# Altium PCB IceZUM_Core_HX1K.PcbDoc (part 1 of 2) (continued)
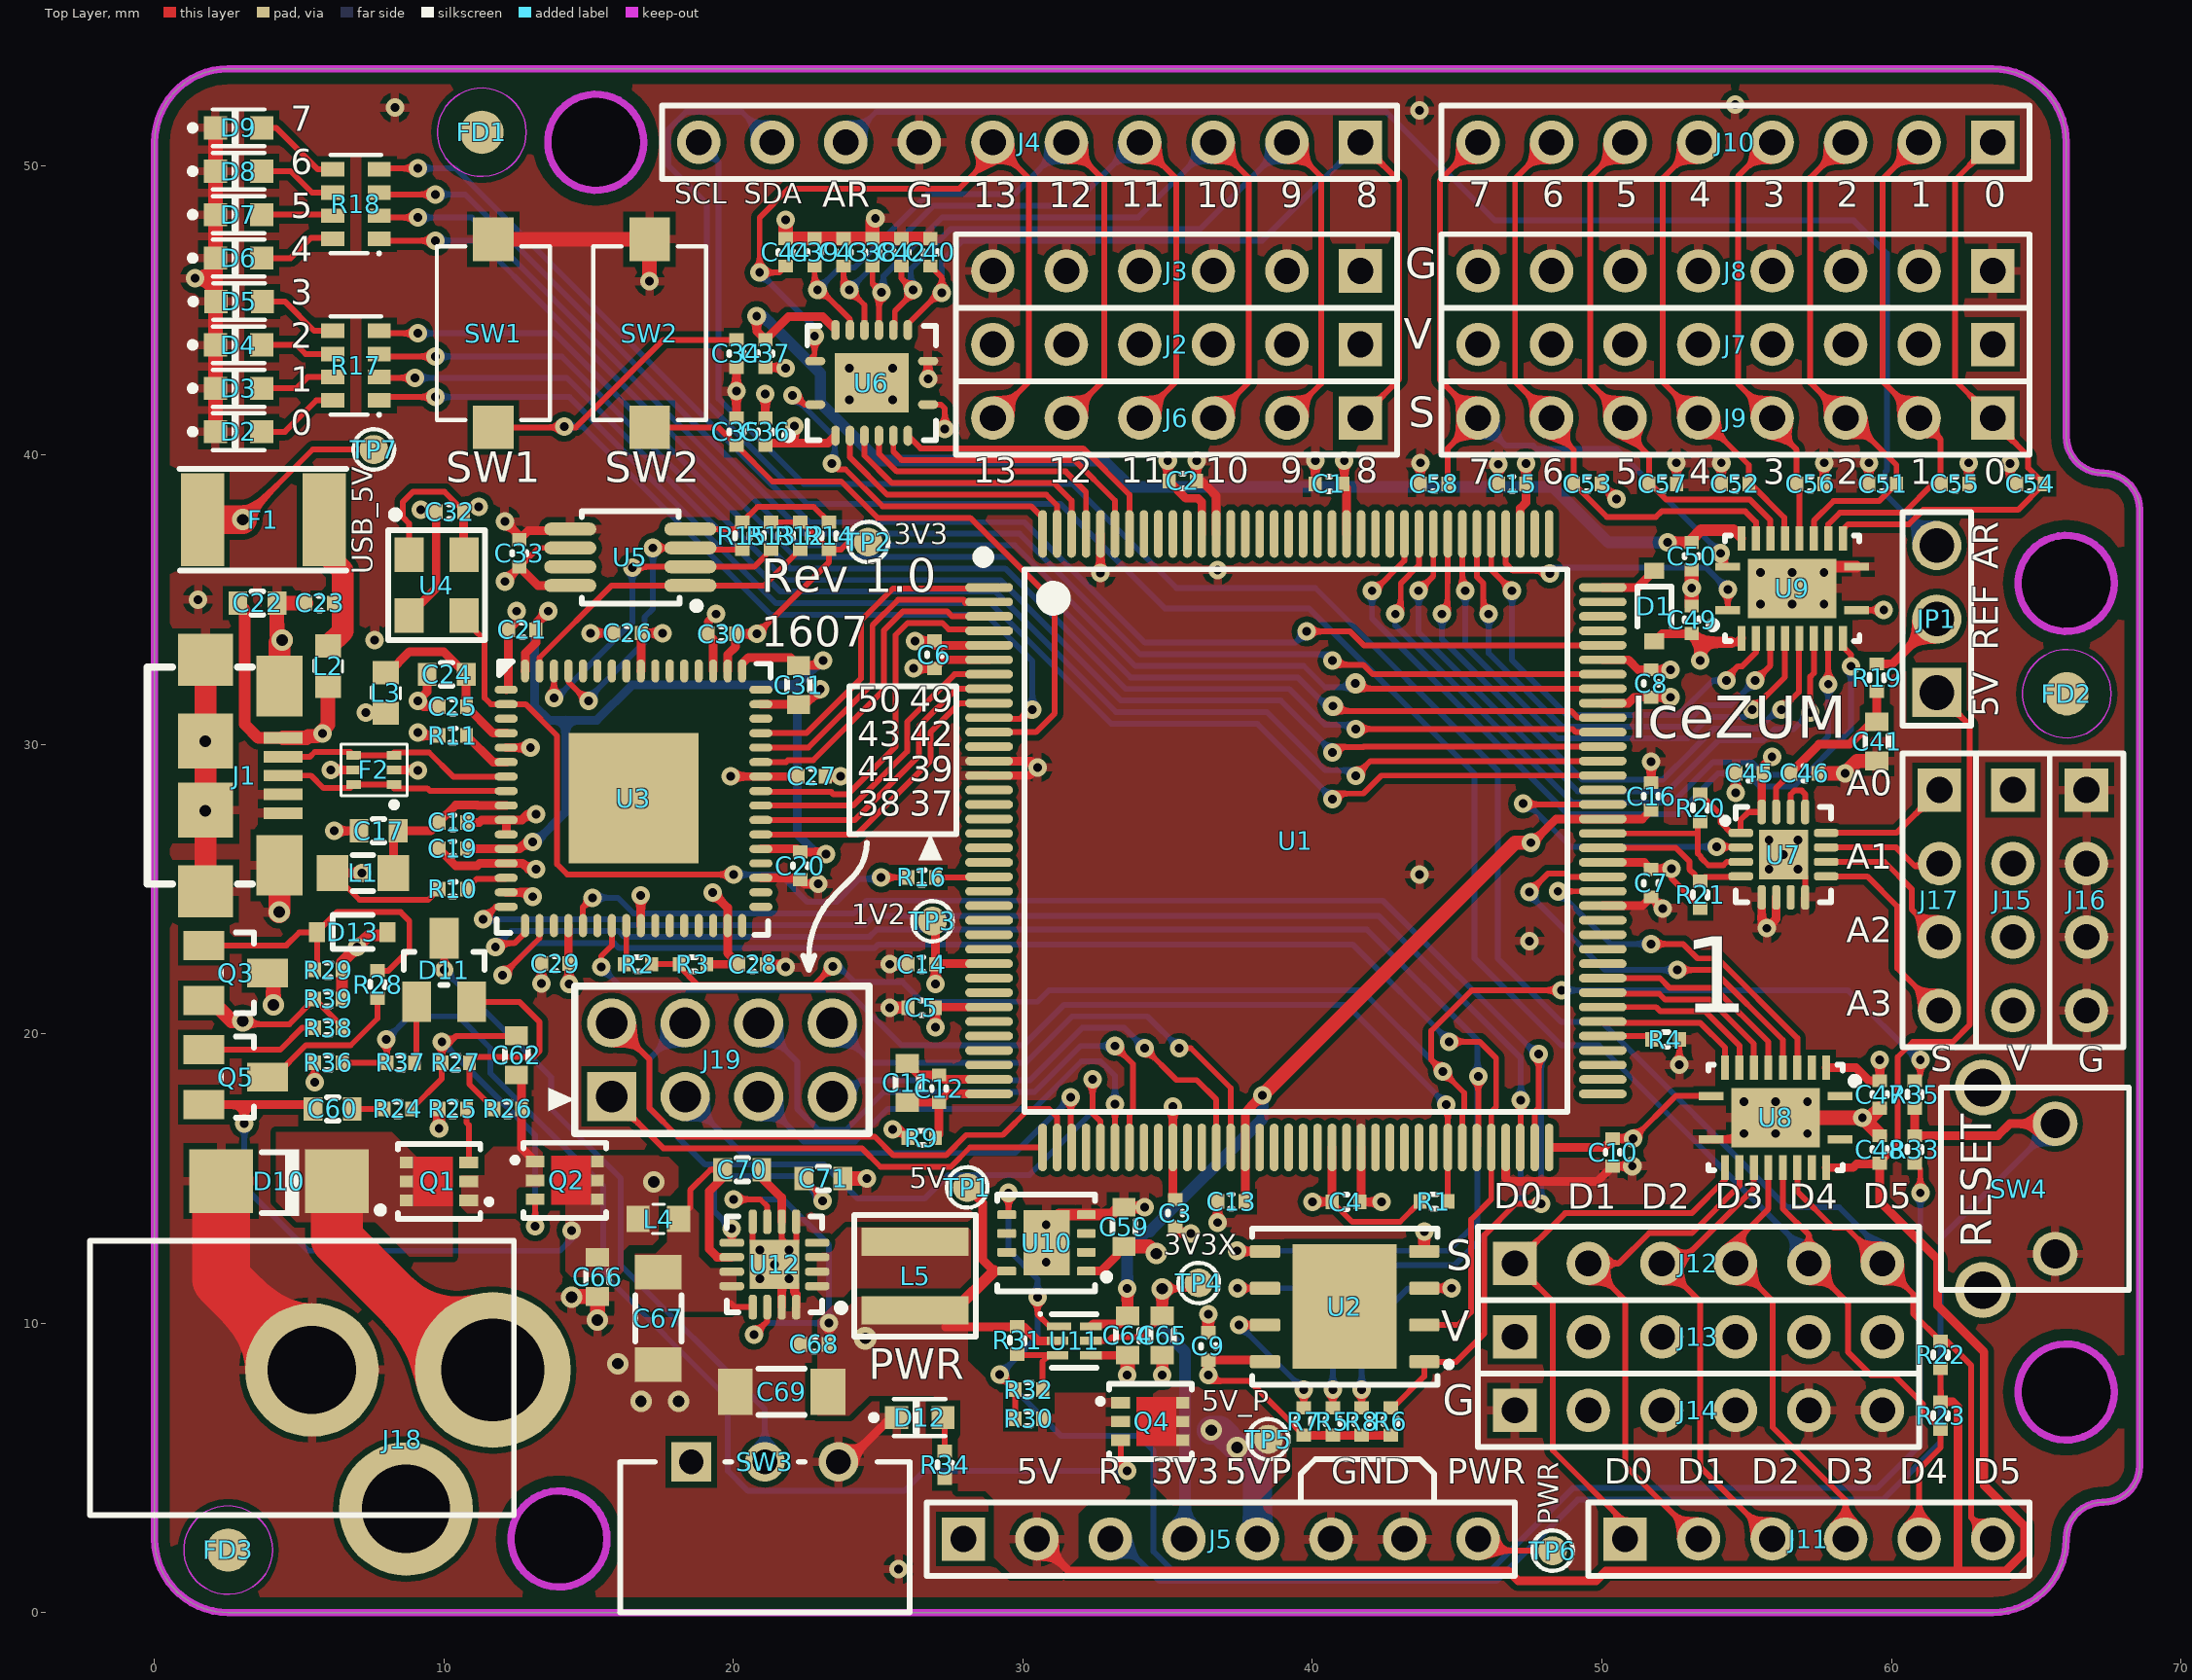
[diagram p0: Top Layer view]
## Footprints (in the part's own frame and the unit in brackets; to place one, negate y for a bottom-side part, rotate by r counter-clockwise, add the part's x,y. Pads: shape width x height; smd on the part's side, far side on the other; paste and mask are expansions set on the pad) (continued)
QFN16#3 [mm] "QFN 16-Lead, 3x3mm body, IPC Medium Density"
  rrect70% 0.85x0.28 smd mask+0.07: 1(-1.475,0.75) 2(-1.475,0.25) 3(-1.475,-0.25) 4(-1.475,-0.75) 9(1.475,-0.75) 10(1.475,-0.25) 11(1.475,0.25) 12(1.475,0.75)
  rrect70% 0.28x0.85 smd mask+0.07: 5(-0.75,-1.475) 6(-0.25,-1.475) 7(0.25,-1.475) 8(0.75,-1.475) 13(0.75,1.475) 14(0.25,1.475) 15(-0.25,1.475) 16(-0.75,1.475)
  rect 1.7x1.7 smd mask+0.05: 16(0,0)
  silkscreen extent -2.43,-1.65 1.65,1.65, body extent -1.5,-1.5 1.5,1.5, height 0.9
R0402 [mm] "Chip Resistor, Body 1.0x0.5mm, IPC High Density"
  rect 0.45x0.5 smd: 1(-0.475,0) 2(0.475,0)
  silkscreen extent -0.1,-0.25 0.1,0.25, body extent -0.5,-0.25 0.5,0.25, height 0.3
"Slide SW SPDT Right Angle" [mm] "3 pin SPDT Right Angle Switch pitch 2.54mm"
  rect 1.37x1.37 hole 0.85: 1(0,0)
  round 1.37 hole 0.85: 2(2.54,0) 3(5.08,0)
  silkscreen extent -2.46,-5.2 7.54,0, body extent -2.47,-7.19 7.53,0.32, height 2.5
SOD323 [mil]
  rect 22x27 smd: A(-48,0) K(48,0)
  silkscreen extent -28,-23 26,23, body extent -51,-27 51,27, height 44
SOT23-3 [mm] "SOT23, 3-Leads, Body 2.9x1.3mm, Pitch 0.95mm, Lead Span 2.5mm, IPC High Density"
  rect 1x1.4 smd: 1(0.95,1.1) 2(-0.95,1.1) 3(0,-1.1)
  silkscreen extent -1.4,-0.64 1.4,0.51, body extent -1.44,-1.45 1.46,1.35, height 1.07
SOT563 [mm] "SOT563, 6-Leads, Body 1,60x1,20mm, Pitch 0,50mm, IPC Medium Density"
  rect 0.5x0.3 smd paste+0 mask+0.05: 1(-0.7,0.5) 2(-0.7,0) 3(-0.7,-0.5) 4(0.7,-0.5) 5(0.7,0) 6(0.7,0.5)
  silkscreen extent -1.14,-0.89 1.14,1.3, body extent -0.8,-0.8 0.8,0.8, height 0.55
SW_SMD_6.0x3.8 [mm] "Micro miniature pushbutton switch 6.0x3.8mm"
  rect 1.5x1.4 smd: 1(3.25,0) 2(-3.25,0)
  silkscreen extent -3,-1.95 3,1.95, body extent -3.65,-1.95 3.65,1.95, height 2.5
SW_Vert_THT_7.5x6x6.5 [mm] "Vertical Switch THT"
  round 1.54 hole 1: 1(0,0) 2(4.5,0)
  round 1.93 hole 1.3: 3(-1.25,-2.5) 4(5.75,-2.5)
  silkscreen extent -1.25,-3.95 5.75,2.55, body extent -1.84,-3.95 6.34,3.85, height 7.1
TP_SMD_1mm [mm] "Testpoint 1mm"
  round 1 smd paste-1 mask+0.1: 1(0,0)
  silkscreen extent -0.7,-0.7 0.7,0.7
TQFP-144_IPC-MD [mm] "QFP, 144-Leads, Body 20x20mm, Pitch 0.5mm, IPC Medium Density"
  oval 1.65x0.3 smd: 1(-10.6,8.75) 2(-10.6,8.25) 3(-10.6,7.75) 4(-10.6,7.25) 5(-10.6,6.75) 6(-10.6,6.25) 7(-10.6,5.75) 8(-10.6,5.25) 9(-10.6,4.75) 10(-10.6,4.25) 11(-10.6,3.75) 12(-10.6,3.25) 13(-10.6,2.75) 14(-10.6,2.25) 15(-10.6,1.75) 16(-10.6,1.25) 17(-10.6,0.75) 18(-10.6,0.25) 19(-10.6,-0.25) 20(-10.6,-0.75) 21(-10.6,-1.25) 22(-10.6,-1.75) 23(-10.6,-2.25) 24(-10.6,-2.75) 25(-10.6,-3.25) 26(-10.6,-3.75) 27(-10.6,-4.25) 28(-10.6,-4.75) 29(-10.6,-5.25) 30(-10.6,-5.75) 31(-10.6,-6.25) 32(-10.6,-6.75) 33(-10.6,-7.25) 34(-10.6,-7.75) 35(-10.6,-8.25) 36(-10.6,-8.75) 73(10.6,-8.75) 74(10.6,-8.25) 75(10.6,-7.75) 76(10.6,-7.25) 77(10.6,-6.75) 78(10.6,-6.25) 79(10.6,-5.75) 80(10.6,-5.25) 81(10.6,-4.75) 82(10.6,-4.25) 83(10.6,-3.75) 84(10.6,-3.25) 85(10.6,-2.75) 86(10.6,-2.25) 87(10.6,-1.75) 88(10.6,-1.25) 89(10.6,-0.75) 90(10.6,-0.25) 91(10.6,0.25) 92(10.6,0.75) 93(10.6,1.25) 94(10.6,1.75) 95(10.6,2.25) 96(10.6,2.75) 97(10.6,3.25) 98(10.6,3.75) 99(10.6,4.25) 100(10.6,4.75) 101(10.6,5.25) 102(10.6,5.75) 103(10.6,6.25) 104(10.6,6.75) 105(10.6,7.25) 106(10.6,7.75) 107(10.6,8.25) 108(10.6,8.75)
  oval 0.3x1.65 smd: 37(-8.75,-10.6) 38(-8.25,-10.6) 39(-7.75,-10.6) 40(-7.25,-10.6) 41(-6.75,-10.6) 42(-6.25,-10.6) 43(-5.75,-10.6) 44(-5.25,-10.6) 45(-4.75,-10.6) 46(-4.25,-10.6) 47(-3.75,-10.6) 48(-3.25,-10.6) 49(-2.75,-10.6) 50(-2.25,-10.6) 51(-1.75,-10.6) 52(-1.25,-10.6) 53(-0.75,-10.6) 54(-0.25,-10.6) 55(0.25,-10.6) 56(0.75,-10.6) 57(1.25,-10.6) 58(1.75,-10.6) 59(2.25,-10.6) 60(2.75,-10.6) 61(3.25,-10.6) 62(3.75,-10.6) 63(4.25,-10.6) 64(4.75,-10.6) 65(5.25,-10.6) 66(5.75,-10.6) 67(6.25,-10.6) 68(6.75,-10.6) 69(7.25,-10.6) 70(7.75,-10.6) 71(8.25,-10.6) 72(8.75,-10.6) 109(8.75,10.6) 110(8.25,10.6) 111(7.75,10.6) 112(7.25,10.6) 113(6.75,10.6) 114(6.25,10.6) 115(5.75,10.6) 116(5.25,10.6) 117(4.75,10.6) 118(4.25,10.6) 119(3.75,10.6) 120(3.25,10.6) 121(2.75,10.6) 122(2.25,10.6) 123(1.75,10.6) 124(1.25,10.6) 125(0.75,10.6) 126(0.25,10.6) 127(-0.25,10.6) 128(-0.75,10.6) 129(-1.25,10.6) 130(-1.75,10.6) 131(-2.25,10.6) 132(-2.75,10.6) 133(-3.25,10.6) 134(-3.75,10.6) 135(-4.25,10.6) 136(-4.75,10.6) 137(-5.25,10.6) 138(-5.75,10.6) 139(-6.25,10.6) 140(-6.75,10.6) 141(-7.25,10.6) 142(-7.75,10.6) 143(-8.25,10.6) 144(-8.75,10.6)
  silkscreen extent -10.92,-9.38 9.38,9.92, body extent -11.01,-11.01 11.01,11.01, height 1.1
U-DFN2523-6 [mm] "U-DFN, 2.5x2.3mm, 6 pin, 0.65mm Pitch"
  rect 0.4x0.65 smd: 1(-0.65,-1.025) 2(0,-1.025) 3(0.65,-1.025)
  rect 0.4x0.45 smd: 4(0.65,1.125) 5(0,1.125) 6(-0.65,1.125)
  Top Layer region: -0.85,-0.48 0.85,-0.48 0.85,0.9 -0.85,0.9
  silkscreen extent -1.3,-1.76 1.3,1.43, body extent -1.15,-1.25 1.15,1.25, height 0.6
U-DFN3030-8 [mm] "U-DFN, 3x3mm, 8 pin, 0.65mm Pitch, with TP"
  rect 2.25x1.6 smd paste-0.3: 0(0,0)
  rrect30% 0.3x0.65 smd: 1(-0.975,-1.375) 2(-0.325,-1.375) 3(0.325,-1.375) 4(0.975,-1.375) 5(0.975,1.375) 6(0.325,1.375) 7(-0.325,1.375) 8(-0.975,1.375)
  silkscreen extent -1.68,-2.15 1.68,1.7, body extent -1.5,-1.51 1.5,1.51, height 0.8
USB_Micro_B [mm] "USB Micro Type B SMD"
  rect 0.4x1.35 smd: 1(-1.3,1.338) 2(-0.65,1.338) 3(0,1.338) 4(0.65,1.338) 5(1.3,1.338)
  rect 1.8x1.9 smd: S1(-4,-1.337) S4(4,-1.337)
  rect 1.9x1.9 smd: S2(-1.2,-1.337) S3(1.2,-1.337)
  rect 2.1x1.6 smd: S5(-3.1,1.213) S6(3.1,1.213)
  silkscreen extent -3.75,-3.35 3.75,0.26, body extent -4.1,-3.93 4.1,2, height 2.72
"VQFN20 4.5x3.5mm" [mm] "Quad Flatpack No-Lead 4.5x3.5mm, 20 pin, TP"
  rect 3.05x2.05 smd paste-0.3: 0(0,0)
  rect 0.85x0.28 smd mask+0.07: 1(-2.225,-0.75) 10(2.225,-0.75) 11(2.225,0.75) 20(-2.225,0.75)
  rect 0.28x0.85 smd mask+0.07: 2(-1.75,-1.725) 3(-1.25,-1.725) 4(-0.75,-1.725) 5(-0.25,-1.725) 6(0.25,-1.725) 7(0.75,-1.725) 8(1.25,-1.725) 9(1.75,-1.725) 12(1.75,1.725) 13(1.25,1.725) 14(0.75,1.725) 15(0.25,1.725) 16(-0.25,1.725) 17(-0.75,1.725) 18(-1.25,1.725) 19(-1.75,1.725)
  silkscreen extent -2.87,-1.83 2.33,1.83, body extent -2.26,-1.76 2.26,1.76, height 0.9
WSON-6-1,5x1,5mm [mm] "SON, 6-Leads, Body 1,50x1,50mm, Pitch 0,50mm, IPC Medium Density"
  rect 0.85x0.28 smd mask+0.05: 1(-0.525,0.5)
  rect 0.75x0.28 smd mask+0.05: 2(-0.575,0) 3(-0.575,-0.5) 4(0.575,-0.5) 5(0.575,0) 6(0.575,0.5)
  silkscreen extent -1.22,-0.93 0.77,0.97, body extent -0.77,-0.78 0.77,0.77, height 0.8

## Part data
C1 C2 C3 C4 C5 C6 C7 C8 C9 C10 C12 C13 C14 C15 C16 C18 C19 C20 C21 C23 C25 C26 C27 C28 C29 C30 C32 C33 C34 C35 C36 C37 C45 C46 C47 C48 C49 C50 C68: library part C0402_100nF_16V_±10%, "Capacitor SMD"
C11: library part C0603_10uF_16V_±20%, "Capacitor SMD"
C17 C24 C31 C41 C59 C64 C65: library part C0603_4.7uF_16V_±10%, "Capacitor SMD"
C22: library part C0603_10nF_25V_±10%
C38 C39 C40 C42 C43 C44 C51 C52 C53 C54 C55 C56 C57 C58: library part C0402_100pF_16V_±10%, "Capacitor SMD"
C60 C62: library part C0603_100nF_25V_±10%, "Capacitor SMD"
C66 C70: library part C0603_100nF_25V_±10%
C67: library part C1206_10uF_25V_±10%, "Capacitor SMD"
C69: library part C1206_22uF_10V_±20%
C71: library part C0603_620pF_25V_±5%
D1: "Schottky Diode"
D2 D3 D4 D5 D6 D7 D8 D9: library part "LY Q971-H1L2-36", "LED"
D10: library part "TVS 17V Bi SMA", "Protection, Bidirectional Transient Suppression Diodes"
D11: library part BAT54C, "Dual Schottky Diode Common Cathode"
D12: library part "LW Q38G-Q2R3", "LED"
D13: library part BZX384C5V1, "Zener Diode"
F1: library part "FUSE 0.5A 15V", "PTC Resettable Fuse"
F2: library part "USB ESD Single", "Protection, USB ESD"
J1: library part "Micro USB Type B SMD", "Connector, USB Micro B"
J2 J13: library part "CON_PH_THT2.54_6 Red"
J3 J14: library part CON_PH_THT2.54_6
J4: library part CON_SH_THT2.54_10, "Connector, 10 pin Socket Header 2.54mm"
J5 J10: library part CON_SH_THT2.54_8, "8 pin Socket Header 2.54mm"
J6: library part "CON_PH_THT2.54_6 Natural"
J7: library part "CON_PH_THT2.54_8 Red"
J8: library part CON_PH_THT2.54_8
J9: library part "CON_PH_THT2.54_8 Natural"
J11: library part CON_SH_THT2.54_6, "6 pin Socket Header 2.54mm"
J12: library part "CON_PH_THT2.54_6 Natural", "Connector, 1x6 pin Header 2.54mm"
J15: library part "CON_PH_THT2.54_4 Red", "Connector, 1x4 pin Header 2.54mm"
J16 J17: library part CON_PH_THT2.54_4, "Connector, 1x4 pin Header 2.54mm"
J18: library part "DC Power Jack", "Connector, Power, DC Power Jack"
J19: library part CON_DPH_THT2.54_8, "Connector, 8 pin Dual Header 2.54mm"
JP1: library part Jumper_3pin_THT, "Connector, Jumper, 3 pin Male Header 2.54mm"
L1: library part 10uH_0,1A, "Inductor SMD"
L2: library part L0603_120R_0,025R_3000mA
L3: library part L0603_220R_0,05R_2200mA, "Ferrite Bead"
L4: library part L0603_120R_0,025R_3000mA, "Ferrite Bead"
L5: library part 2,2uH_4,7A, "Inductor SMD"
Q1 Q2 Q4: "P-Channel MOSFET, 6 pin"
Q3: library part DMP2035U, "PFET"
Q5: "PNP"
R1 R3 R4 R5 R6 R7 R8 R12 R13 R14 R20 R21 R28 R37 R38: library part R0402_10k_0.063W_±5%, "Resistor, SMD"
R2: library part R0402_470R_0.063W_±5%, "Resistor, SMD"
R9: library part R0402_100R_0.063W_±5%, "Resistor, SMD"
R10: library part R0402_1k_0.063W_±5%
R11: library part R0402_12k_0.063W_±1%, "Resistor, SMD"
R15: library part R0402_2k2_0.063W_±5%, "Resistor, SMD"
R16 R32 R33 R35: library part R0402_0R_0.063W_±5%, "Resistor, SMD"
R17 R18: library part 4xArray_1206_270R_0,0625W_±0,5%, "Resistor"
R19: library part R0402_10R_0.063W_±5%, "Resistor, SMD"
R22 R23: library part R0402_4k7_0.063W_±5%, "Resistor, SMD"
R24 R27: library part R0402_47k_0.063W_±5%, "Resistor, SMD"
R25 R39: library part R0402_1k_0.063W_±5%, "Resistor, SMD"
R26 R29 R30 R31: library part R0402_100k_0.063W_±5%, "Resistor, SMD"
R34: library part R0402_5k6_0.063W_±5%, "Resistor, SMD"
R36: library part R0402_220k_0.063W_±5%, "Resistor, SMD"
SW1 SW2: library part "SW SMD", "Micro miniature pushbutton surface Switch"
SW3: library part "Switch SPDT"
SW4: library part "SW Vertical THT", "Micro miniature pushbutton surface Switch"
TP1 TP2 TP3 TP4 TP5 TP6 TP7: library part TP_SMD_1mm
U1: library part iCE40-HX1K, "iCE40 HX1K Series FPGA Family, 1280 Logic Cells, 1.2 V Core, 64 K Embedded RAM Bits, 144-pin TQFP, Pb-Free, Tray"
U2: "NOR Flash Memory, serial"
U3: "Dual High Speed USB to Multipurpose UART/FIFO IC"
U4: library part DSC1001-12MHZ, "Oscillator, Low-Power CMOS, 4 pin, 1.8-3.3V"
U5: "EEPROM, 2K Microwire Compatible Serial, 8 or 16 bit word size, 2.5-5.5 Vcc range"
U6: "Voltage Translator, Hex"
U7: "ADC Converter, 12-Bit, 4-Ch, I2C"
U8 U9: "Voltage Level Translator, 8-Bit Bidir., with TP"
U10: "LDO Regulator, 8 pin, adjustable and fixed mode with enable"
U11: "LDO Regulator, Dual, 6 pin"
U12: library part TPS62133, "3A High Efficient Synchronous Step Down Converter with DCS™ Control"

## Free pads (board coordinates)
  round 1.524 hole 3.2 unplated: 0(13.97,2.54) 0(15.24,50.8) 0(66.04,7.62) 0(66.04,35.56)

## Via types
v1: diameter 0.64/0.74/0.74/0.64 (per signal layer), hole 0.3, Top Layer to Bottom Layer, tented both sides, 213 vias
v2: diameter 0.74/0.84/0.84/0.74 (per signal layer), hole 0.4, Top Layer to Bottom Layer, tented both sides, 17 vias
v3: diameter 0.64/0.74/0.74/0.64 (per signal layer), hole 0.3, Top Layer to Bottom Layer, 16 vias
v4: diameter 0.74, hole 0.3, Top Layer to Bottom Layer, 6 vias
v5: diameter 0.64/0.74/0.74/0.64 (per signal layer), hole 0.3, Top Layer to Bottom Layer, tented top, 4 vias
v6: diameter 0.7, hole 0.3, Top Layer to Bottom Layer, tented both sides, 2 vias
v7: diameter 0.8, hole 0.4, Top Layer to Bottom Layer, tented both sides, 1 vias

## Nets (pads, with @x,y where several pads share a name; then routed paths per layer and width w, separated by ;. In a path a pad name is that pad's centre, name@x,y a point inside that pad or via, vN(x,y) a via of type N, cw(c..) or ccw(c..) an arc to the next point about the centre after c; other vN are vias at no path point)
5V_P_CTL: D11.1 R37.2 | length 2.1
  Top Layer w0.2: R37.2@8.975,19 9.05,19.075 D11.1@9.05,21.1
+1V2: C13.2 C14.2 C15.2 C16.2 C64.2 R9.2 TP3.1 U1.27 U1.51 U1.92 U1.111 U11.6 | length 70.4
  Top Layer w0.3: v1(25.5,16.7) 25.725,16.7 R9.2@26.025,16.4 ; TP3.1@26.872,23.888 26.975,23.785 C14.2@26.975,22.4 ; v1(26.975,21.725) C14.2@26.975,22.4 ; U1.27@28.827,22.42 26.995,22.42 C14.2@26.975,22.4 ; U11.6@32.347,9.888 32.431,9.972 33.337,9.972 C64.2@33.612,10.247 ; C13.2@37.675,14.2 C13.2@37.675,14.2 U1.51@37.677,16.07 37.677,17.277 v1(38.275,17.875) ; U1.111@47.177,37.27 47.177,38.152 47.375,38.35 C15.2@47.375,39 v1(47.375,39.7) ; v1(47.55,26.6) 47.575,26.575 48.42,27.42 U1.92@50.027,27.42 51.395,27.42 C16.2@51.7,27.725
  Top Layer w0.4: v1(33.6,11.2) 33.612,11.188 C64.2@33.612,10.247
  Top Layer w0.5: v1(38.275,17.875) 47,26.6 v1(47.55,26.6)
  Power w0.4: v1(26.975,21.725) 26.975,21.386 25.5,19.911 v1(25.5,16.7) 26.7,15.5 29.789,15.5 33.6,11.689 v1(33.6,11.2)
  Power w0.5: v1(47.375,39.7) 49.02,38.055 49.02,28.07 v1(47.55,26.6)
  Bottom Layer w0.4: v1(33.6,11.2) 33.6,12.489 34.281,13.17 34.382,13.17 38.275,17.063 v1(38.275,17.875)
+1V8_FT: C19.2 C20.2 C21.2 C31.2 U3.12 U3.37 U3.49 U3.64 | length 36.3
  Top Layer w0.3: C19.2@10.775,26.4 10.775,26.385 U3.12@12.146,26.385 12.6,26.385 12.84,26.625 v1(13.066,26.625) ; U3.64@12.796,32.535 12.806,32.545 12.806,33.142 13.176,33.512 C21.2@13.176,33.958 13.176,34.176 v1(13.6,34.6) ; U3.49@20.296,32.535 20.296,32.781 20.515,33 21.965,33 C31.2@22.244,32.721 22.921,32.721 v1(23.1,32.9) ; U3.37@20.946,26.385 22.19,26.385 C20.2@22.3,26.275 23.125,26.275 v1(23.2,26.2)
  Power w0.3: v1(23.1,32.9) v1@23.3,32.9
  Bottom Layer w0.3: v1(13.066,26.625) 13.173,26.625 14.2,27.652 14.2,30.83 ; v1(13.6,34.6) 13.126,34.126 13.126,31.326 13.622,30.83 14.2,30.83 ; v1(23.1,32.9) 23.052,32.9 22.2,32.048 ; v1(23.2,26.2) 22.9,26.2 22.2,26.9 22.2,32.048 ; 14.2,30.83 15.278,30.83 16.495,32.048 22.2,32.048
+3V3: C1.2 C2.2 C3.2 C4.2 C5.2 C6.2 C7.2 C8.2 C9.1 C10.2 C26.2 C27.2 C28.2 C29.2 C30.2 C32.2 C33.2 C36.1 C45.2 C47.2 C49.2 C59.2 D1.A L1.1 L3.1 R1.1 R3.1 R5.2 R6.2 R7.2 R8.2 R10.2 R12.2 R13.2 R14.2 R20.2 R21.2 TP2.1 U1.6 U1.30 U1.46 U1.57 U1.72 U1.89 U1.100 U1.123 U1.133 U2.8 U3.20 U3.31 U3.42 U3.50 U3.56 U4.1 U4.4 U5.6 U5.8 U6.2 U6.8 U7.1 U7.16 U8.2 U8.10 U9.2 U9.10 U10.1 | length 100.7
  Top Layer w0.2: L1.1@6.147,25.555 7.077,24.625 9.45,24.625 R10.2@9.825,25 ; U4.1@8.788,36.548 8.788,37.635 8.58,37.843 8.58,38.38 8.92,38.72 10.02,38.72 10.675,38.065 C32.2@10.675,38.034 ; C33.2@12.6,36.125 13.26,36.785 U5.6@14.357,36.785 ; v1(20.814,33.814) 23.3,36.3 R14.2@23.3,36.725 ; R13.2@21.3,37.675 R12.2@22.3,37.675 22.35,37.675 R14.2@23.3,36.725 ; TP2.1@24.625,37.261 24.314,36.95 23.934,36.95 23.709,36.725 R14.2@23.3,36.725 ; U6.8@26.722,41.738 27.162,41.738 27.3,41.6 v1(27.3,40.9) ; v1@36.6,8 37.825,8 R7.2@39.7,6.125 ; C4.2@40.684,14.187 41.371,13.5 43.025,13.5 R1.1@43.725,14.2 ; v1(51.075,16.375) 52.55,17.85 U8.10@53.775,17.85 ; v1(52.4,25.7) 52.4,25.376 53.4,24.376 R21.2@53.4,24.325 ; R20.2@53.4,28.275 54.1,27.575 54.1,27.3 54.462,26.938 U7.1@54.797,26.938 54.797,27.397 55.063,27.663 U7.16@55.522,27.663 ; U9.10@58.797,34.638 v1(59.738,34.638)
  Top Layer w0.3: L1.1@6.147,25.555 v1(7.155,25.555) ; v1(7.3,31.1) 7.954,31.1 L3.1@7.982,31.072 ; U4.4@10.688,36.548 10.675,36.561 C32.2@10.675,38.034 10.841,38.2 v1(11.2,38.2) ; v1(12.1,35.625) C33.2@12.6,36.125 13.24,35.485 U5.8@14.357,35.485 ; U3.20@14.296,23.735 14.296,22.444 C29.2@14.316,22.424 v1(14.316,21.716) ; U3.56@16.796,32.535 16.806,32.545 16.806,33.832 C26.2@16.816,33.842 v1(17.542,33.842) ; R3.1@19.075,22.4 C28.2@20.184,22.4 19.796,22.788 U3.31@19.796,23.735 19.796,24.354 v1(19.275,24.875) ; U3.50@19.796,32.535 19.796,33.096 20.075,33.375 C30.2@20.075,33.814 v1(20.814,33.814) ; v1(19.9,28.9) 19.915,28.885 U3.42@20.946,28.885 22.21,28.885 C27.2@22.225,28.9 ; C36.1@21.1,40.325 21.175,40.4 23.259,40.4 U6.2@23.522,40.663 ; 22.05,40.45 22.1,40.5 v1(22.1,41) ; v1(26.219,32.619) C6.2@26.938,32.619 27.239,32.92 U1.6@28.827,32.92 ; v1(26.975,20.225) C5.2@26.975,20.9 ; C5.2@26.975,21 27.055,20.92 U1.30@28.827,20.92 ; U10.1@32.187,11.797 32.697,11.797 C59.2@33.253,12.353 ; v1(35,39.8) 35,39.145 C2.2@35.045,39.1 35.045,39.08 35.625,38.5 36.046,38.5 36.177,38.369 U1.133@36.177,37.27 ; C3.2@35.158,14.377 C3.2@35.262,14.273 ; C3.2@35.177,14.342 U1.46@35.177,16.07 v1(35.177,17.477) ; v1(36.4,8.2) C9.1@36.4,8.725 38.304,8.725 U2.8@38.362,8.667 ; R7.2@39.7,6.125 R5.2@40.7,6.125 R8.2@41.7,6.125 R6.2@42.7,6.125 ; v1(40.006,14.194) 40.677,14.194 U1.57@40.677,16.07 ; v1(41.1,39.8) 41.1,39.055 C1.2@41.045,39 41.177,38.868 U1.123@41.177,37.27 ; U1.72@48.177,16.07 50.07,16.07 C10.2@50.375,16.375 v1(51.075,16.375) ; U1.89@50.027,25.92 51.455,25.92 C7.2@51.7,25.675 51.725,25.7 v1(52.4,25.7) ; U1.100@50.027,31.42 50.909,31.42 51.114,31.625 C8.2@51.7,31.625 v1(52.375,31.625) ; D1.A@51.812,33.553 52.085,33.825 C49.2@53.1,33.825 ; 54.475,33.525 54.684,33.525 U9.2@54.822,33.663 ; U7.16@55.522,27.663 55.522,28.722 55.575,28.775 C45.2@55.575,29 55.575,29.26 v1(55.875,29.56) ; U8.2@57.75,18.825 58.775,18.825 59.225,18.375 C47.2@59.6,18.375 v1(59.6,19.1)
  Top Layer w0.4: C49.2@53.1,33.825 53.4,33.525 ; v1(53.4,32.9) 53.4,33.525 ; 54.475,33.525 53.4,33.525
  Top Layer w0.5: C59.2@33.488,12.653 34.347,12.653 v2(34.6,12.4)
+3V3_AUX: C65.2 J5.4 TP4.1 U11.5 | length 14.1
  Top Layer w0.2: U11.5@32.347,9.388 32.954,9.388 33.088,9.522 34.087,9.522 C65.2@34.812,10.247 ; v2(34.812,11.188) 35.872,11.188 TP4.1@36.072,11.388
  Top Layer w0.4: C65.2@34.812,10.247 v2(34.812,11.188)
  Bottom Layer w0.4: v2(34.812,11.188) 34.812,9.788 35.6,9 35.6,2.58 J5.4@35.56,2.54
+5V: C37.2 C48.1 C50.1 C68.2 C69.2 J5.2 JP1.1 L5.2 Q3.3 Q4.1 Q4.2 R22.2 R23.2 R30.1 R31.1 R34.2 R36.1 TP1.1 U6.15 U8.19 U9.19 U10.8 U11.2 U12.7 U12.14 | length 211.4
  Top Layer w0.2: v1(5.525,18.325) R36.1@5.525,19 ; v1(20,14.275) 20.925,14.275 21.164,14.036 U12.7@21.164,13.503 ; v1(20.7,9.6) 21.164,10.064 U12.14@21.164,10.553 ; C68.2@23.263,9.27 23.3,9.307 v1(23.3,10) ; C48.1@59.6,15.525 60.22,16.145 60.22,19.197 60.743,19.72 62.12,19.72 62.71,20.31 62.71,30.648 JP1.1@61.57,31.788 ; R23.2@61.7,7.275 61.7,8.375 61.675,8.4 R22.2@61.7,8.425
  Top Layer w0.3: v1(20.8,44.8) 20.8,44.275 C37.2@21.1,43.975 21.895,44.77 23.078,44.77 23.522,44.326 U6.15@23.522,44.313 ; 27.325,9.875 R31.1@29.8,9.875 30.025,9.875 30.512,9.388 U11.2@31.197,9.388 ; TP1.1@28.072,14.688 28.6,14.16 28.6,12.2 29,11.8 ; J5.2@30.48,2.54 31.58,1.44 46.76,1.44 47.1,1.1 49.8,1.1 50.14,1.44 63.956,1.44 64.6,2.084 64.6,2.996 63.2,4.396 63.2,9 61.6,10.6 61.6,12.2 59.6,14.2 C48.1@59.6,15.525 59.575,15.5 58.8,15.5 58.675,15.375 U8.19@57.75,15.375 ; 54.535,37.4 U9.19@54.822,37.113 ; R23.2@61.7,7.275 62.125,7.275 62.3,7.1 62.3,1.524
  Top Layer w0.4: L5.2@26.272,10.443 27.643,10.443 29,11.8 ; v1(52.275,36.975) C50.1@53.1,36.975 ; C50.1@53.1,37.075 53.425,37.4 54.535,37.4
  Top Layer w0.5: Q3.3@3.9,22.1 4.1,21.9 v2(4.1,21)
  Power w0.2: 4.35,17.25 4.45,17.25 v1(5.525,18.325)
  Power w0.4: v2(4.1,21) v2@4.125,20.975
  Power w0.5: v2(4.1,21) 5.17,22.07 5.17,29.844 4.98,30.034 4.98,32.95 5.4,33.37 5.4,36.2 14,44.8 v1(20.8,44.8) ; v2@4.125,20.975 4.125,17.475 4.35,17.25 5.7,15.9 17.834,15.9 18.534,15.2 20.94,15.2 24.55,11.59 v7(24.55,9.475)
  Bottom Layer w0.2: v1(20,14.275) 21.725,14.275 23.3,12.7 v1(23.3,10) 21.1,10 v1(20.7,9.6)
  Bottom Layer w0.4: v1(20.8,44.8) 21.018,44.8 23,42.818 23,41.8 25,39.8 32.8,39.8 33.7,38.9 48.3,38.9 50.225,36.975 v1(52.275,36.975)
+5V_P: J2.1 J2.2 J2.3 J2.4 J2.5 J2.6 J5.5 J7.1 J7.2 J7.3 J7.4 J7.5 J7.6 J7.7 J7.8 J13.1 J13.2 J13.3 J13.4 J13.5 J13.6 J15.1 J15.2 J15.3 J15.4 Q4.4 Q4.5 Q4.6 TP5.1 | length 4.6
  Bottom Layer w1: v2(36.5,6.3) 36.8,6.3 v2(37.4,5.7) 38.1,5 J5.5@38.1,2.54
A0: J17.1 U7.12 | length 4.5
  Top Layer w0.2: U7.12@57.747,26.938 60.178,26.938 J17.1@61.66,28.42
A1: J17.2 U7.11 | length 4.2
  Top Layer w0.2: U7.11@57.747,26.438 60.162,26.438 60.8,25.8 61.58,25.8 J17.2@61.66,25.88
A2: J17.3 U7.10 | length 5.4
  Top Layer w0.2: U7.10@57.747,25.938 59.762,25.938 60.7,25 60.7,24.3 J17.3@61.66,23.34
A3: J17.4 U7.9 | length 7.1
  Top Layer w0.2: U7.9@57.747,25.438 59.162,25.438 60.2,24.4 60.2,22.26 J17.4@61.66,20.8
AREF: J4.8 JP1.3 | length 49.3
  Bottom Layer w0.2: J4.8@23.876,50.8 24.926,51.85 42.55,51.85 46.3,48.1 58.7,48.1 59.845,46.955 59.845,39.468 59.8,39.423 59.8,38.638 JP1.3@61.57,36.868
D0: C54.2 J9.1 J10.1 U9.12 | length 21.5
  Top Layer w0.2: U9.12@58.322,37.113 58.322,37.422 58.5,37.6 60.6,37.6 61.1,38.1 64.375,38.1 C54.2@65.275,39 64.72,39.555 64.72,39.957 63.5,41.177 J9.1@63.5,41.275 62.2,42.575 62.2,49.5 J10.1@63.5,50.8
D1: C55.2 J9.2 J10.2 U9.13 | length 18.1
  Top Layer w0.2: U9.13@57.822,37.113 57.822,37.602 58.22,38 60.434,38 61.434,39 C55.2@61.725,39 61.7,39.025 61.7,40.535 J9.2@60.96,41.275 59.7,42.535 59.7,49.54 J10.2@60.96,50.8
D2: C51.2 J9.3 J10.3 U9.14 | length 17.6
  Top Layer w0.2: U9.14@57.322,37.113 57.322,37.722 58,38.4 59.575,38.4 C51.2@60.175,39 60.175,39.652 58.552,41.275 J9.3@58.42,41.275 57.2,42.495 57.2,49.58 J10.3@58.42,50.8
D3: C56.2 J9.4 J10.4 U9.15 | length 15.1
  Top Layer w0.2: J10.4@55.88,50.8 54.7,49.62 54.7,42.455 J9.4@55.88,41.275 55.88,41.02 56.725,40.175 C56.2@56.725,39 56.822,38.903 U9.15@56.822,37.113
D4: C52.2 J9.5 J10.5 U9.16 | length 16
  Top Layer w0.2: J10.5@53.34,50.8 52.1,49.56 52.1,42.515 J9.5@53.34,41.275 53.452,41.275 55.075,39.652 C52.2@55.075,39 55.131,39 56.3,37.831 U9.16@56.3,37.113
D5: C57.2 J9.6 J10.6 U9.17 | length 18.5
  Top Layer w0.2: J10.6@50.8,50.8 49.6,49.6 49.6,42.475 J9.6@50.8,41.275 50.8,40.8 51.625,39.975 C57.2@51.625,39 51.676,39 52.226,38.45 55.116,38.45 55.822,37.744 U9.17@55.822,37.113
D6: C53.2 J9.7 J10.7 U9.18 | length 20.7
  Top Layer w0.2: J10.7@48.26,50.8 47,49.54 47,42.535 J9.7@48.26,41.275 48.26,40.94 49.025,40.175 C53.2@49.025,39 50.17,37.855 51.865,37.855 52.06,38.05 54.95,38.05 55.322,37.678 U9.18@55.322,37.113
D7: C58.2 J9.8 J10.8 U9.20 | length 24.4
  Top Layer w0.2: C58.2@44.675,39 44.675,40.23 J9.8@45.72,41.275 44.4,42.595 44.4,49.48 J10.8@45.72,50.8 ; v1(54.1,36.6) 54.1,36.385 U9.20@54.347,36.138 U9.20@54.162,36.138
  Bottom Layer w0.2: J9.8@45.72,41.275 46.675,40.32 47.632,40.32 47.752,40.2 50.5,40.2 v1(54.1,36.6)
D8: C40.2 J4.1 J6.1 U6.10 | length 31
  Top Layer w0.2: U6.10@26.022,44.313 26.022,44.522 27,45.5 27.3,45.5 v1(27.2,45.6) 27.2,46.125 C40.2@26.8,46.525 ; J6.1@41.656,41.275 43,42.619 43,49.456 J4.1@41.656,50.8
  Bottom Layer w0.2: v1(27.2,45.6) 27.2,46.7 27.905,47.405 38.261,47.405 J4.1@41.656,50.8
D9: C42.2 J4.2 J6.2 U6.11 | length 28.7
  Top Layer w0.2: U6.11@25.522,44.313 25.572,44.363 25.572,44.966 26.2,45.594 v1(26.2,45.7) 25.8,46.1 C42.2@25.8,46.525 ; J6.2@39.116,41.275 40.3,42.459 40.3,49.616 J4.2@39.116,50.8
  Bottom Layer w0.2: v1(26.2,45.7) 26.123,45.777 26.123,46.423 27.505,47.805 36.121,47.805 J4.2@39.116,50.8
D10: C38.2 J4.3 J6.3 U6.12 | length 27.1
  Top Layer w0.2: C38.2@24.8,46.525 24.8,45.922 v1(25.111,45.611) 25.022,45.522 U6.12@25.022,44.313 ; J6.3@36.576,41.275 37.8,42.499 37.8,49.576 J4.3@36.576,50.8
  Bottom Layer w0.2: v1(25.111,45.611) 25.111,45.549 25.18,45.48 25.18,46.18 27.205,48.205 33.981,48.205 J4.3@36.576,50.8
D11: C43.2 J4.4 J6.4 U6.13 | length 25.2
  Top Layer w0.2: C43.2@23.8,46.525 23.8,45.9 v1(24,45.7) 24.522,45.178 U6.13@24.522,44.313 ; J6.4@34.036,41.275 35.3,42.539 35.3,49.536 J4.4@34.036,50.8
  Bottom Layer w0.2: v1(24,45.7) 26.905,48.605 31.695,48.605 33.89,50.8 J4.4@34.036,50.8
D12: C39.2 J4.5 J6.5 U6.14 | length 24.1
  Top Layer w0.2: C39.2@22.8,46.525 22.8,45.8 v1(22.9,45.7) 22.9,45.6 23.1,45.6 24.022,44.678 U6.14@24.022,44.313 ; J6.5@31.496,41.275 32.8,42.579 32.8,49.496 J4.5@31.496,50.8
  Bottom Layer w0.2: v1(22.9,45.7) 23.675,46.475 24.175,46.475 26.705,49.005 29.701,49.005 J4.5@31.496,50.8
D13: C44.2 J4.6 J6.6 U6.16 | length 26.8
  Top Layer w0.2: C44.2@21.8,46.525 21.575,46.3 v1(20.9,46.3) 20.9,48.2 21.9,49.2 27.8,49.2 28.956,50.356 J4.6@28.956,50.8 30.2,49.556 30.2,42.519 J6.6@28.956,41.275 ; v1(22.8,44.1) 22.8,43.46 22.7,43.36 U6.16@22.822,43.238
  Bottom Layer w0.2: v1(20.9,46.3) 22.8,44.4 v1(22.8,44.1)
DD0: J11.1 J12.1 U8.12 | length 20
  Top Layer w0.2: J11.1@50.8,2.54 50.8,3.1 48.3,5.6 48.3,10.755 J12.1@46.99,12.065 48.725,13.8 53.1,13.8 54.25,14.95 U8.12@54.25,15.375
DD1: J11.2 J12.2 U8.13 | length 18.1
  Top Layer w0.2: J11.2@53.34,2.54 50.8,5.08 50.8,10.795 J12.2@49.53,12.065 50.585,12.065 51.635,13.115 53.115,13.115 54.75,14.75 U8.13@54.75,15.375
DD2: J11.3 J12.3 U8.14 | length 16.1
  Top Layer w0.2: U8.14@55.25,15.375 55.25,14.65 52.665,12.065 J12.3@52.07,12.065 53.4,10.735 53.4,5.02 J11.3@55.88,2.54
DD3: J11.4 J12.4 U8.15 | length 14.9
  Top Layer w0.2: U8.15@55.75,15.375 55.75,13.95 54.61,12.81 J12.4@54.61,12.065 55.9,10.775 55.9,6.4 58.42,3.88 J11.4@58.42,2.54
DD4: J4.9 J11.5 J12.5 R23.1 U8.16 | length 84.4
  Top Layer w0.2: U8.16@56.25,15.375 56.25,13.95 57.15,13.05 J12.5@57.15,12.065 57.15,12.05 58.5,10.7 58.5,9 59.3,8.2 60.1,8.2 61.1,7.2 61.1,6.925 R23.1@61.7,6.325 61.7,5.7 60.96,4.96 J11.5@60.96,2.54
  Bottom Layer w0.2: J4.9@21.336,50.8 20.286,51.85 18.361,51.85 17.746,51.235 17.746,50.004 19.08,48.67 19.08,41.778 22.558,38.3 31.3,38.3 34.9,34.7 39.877,34.7 45.6,28.977 45.6,22.6 48.6,19.6 49.9,19.6 57.15,12.35 J12.5@57.15,12.065